# Altium PCB SI942C.PcbDoc (part 2 of 3) (continued)
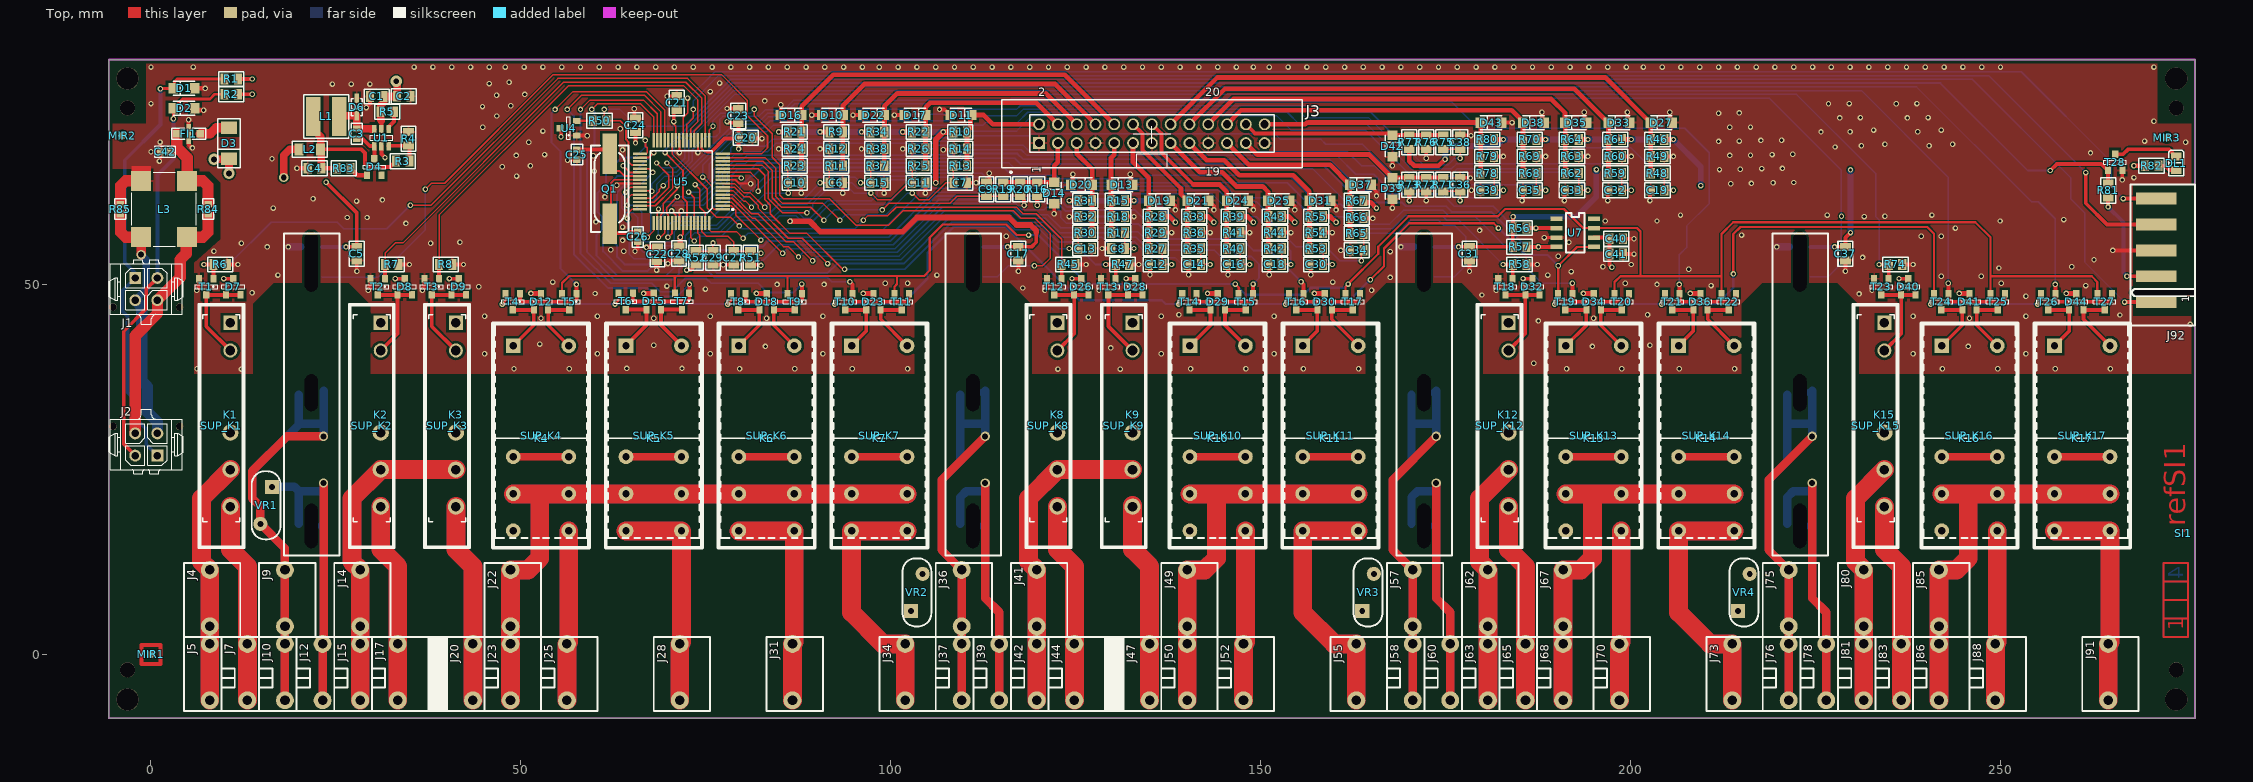
[diagram p0: Top view]
## Nets (pads, with @x,y where several pads share a name; then routed paths per layer and width w, separated by ;. In a path a pad name is that pad's centre, name@x,y a point inside that pad or via, vN(x,y) a via of type N, cw(c..) or ccw(c..) an arc to the next point about the centre after c; other vN are vias at no path point) (continued)
IN15: D35.K J3.20 R62.1 R63.2 R64.1 | length 58.5
  Top w0.635: J3.20@142.875,71.65 146.282,75.057 189.23,75.057 191.082,73.205 D35.K@191.082,71.882 ; R62.1@191.11,65.024 R63.2@191.11,67.31 R64.1@191.11,69.596 D35.K@191.11,71.854
IN15_UC: C33.2 R62.2 U5.60 | length 139.8
  Top w0.203: v1(72.644,62.484) 73.415,61.713 U5.60@73.415,58.298 ; R62.2@192.938,65.024 C33.2@192.938,62.738 v1(194.183,62.738)
  Bottom w0.203: v1(72.644,62.484) 74.168,62.484 76.073,64.389 76.073,65.532 78.359,67.818 78.359,68.453 78.994,69.088 80.137,69.088 80.518,68.707 83.058,68.707 83.947,69.596 105.156,69.596 105.41,69.85 107.823,69.85 108.712,70.739 116.967,70.739 118.999,72.771 152.146,72.771 154.051,70.866 164.084,70.866 170.307,64.643 176.911,64.643 177.419,65.151 191.77,65.151 v1(194.183,62.738)
IN16: D37.K J3.21 R65.1 R66.2 R67.1 | length 25.4
  Top w0.635: J3.21@145.415,69.11 148.358,66.167 159.332,66.167 D37.K@161.999,63.5 ; D37.K@161.999,63.246 161.999,61.115 162.027,61.087 162.027,58.928 R65.1@162.027,56.769
IN16_UC: C34.2 R65.2 U5.59 | length 106.7
  Top w0.203: U5.59@72.915,58.298 72.915,56.371 v1(73.406,55.88) ; v1(163.576,53.213) 163.576,54.331 C34.2@163.855,54.61 R65.2@163.855,56.769
  Bottom w0.203: v1(73.406,55.88) 74.041,56.515 77.089,56.515 79.248,58.674 84.328,58.674 84.963,59.309 87.122,59.309 88.011,58.42 89.281,58.42 91.694,60.833 99.441,60.833 102.235,63.627 103.759,63.627 104.648,64.516 111.887,64.516 112.776,63.627 121.412,63.627 121.793,63.246 145.288,63.246 146.812,61.722 154.305,61.722 157.988,58.039 157.988,55.88 160.655,53.213 v1(163.576,53.213)
IN17: D38.K J3.22 R68.1 R69.2 R70.1 | length 48.4
  Top w0.635: J3.22@145.415,71.65 147.298,73.533 183.896,73.533 185.367,72.062 D38.K@185.367,71.882 ; R68.1@185.395,65.024 R69.2@185.395,67.31 R70.1@185.395,69.596 D38.K@185.395,71.854
IN17_UC: C35.2 R68.2 U5.53 | length 132.5
  Top w0.203: U5.53@69.915,58.298 69.915,59.371 69.723,59.563 69.723,60.452 v1(71.12,61.849) ; R68.2@187.223,65.024 C35.2@187.223,62.738 v1(188.468,62.738)
  Bottom w0.203: v1(71.12,61.849) 72.136,61.849 72.263,61.722 74.041,61.722 76.644,64.325 76.644,65.341 78.867,67.564 79.883,67.564 80.264,67.945 83.312,67.945 84.455,69.088 105.918,69.088 106.172,69.342 108.204,69.342 108.966,70.104 118.745,70.104 118.999,70.358 151.892,70.358 152.654,69.596 158.119,69.596 158.754,68.961 163.703,68.961 168.656,64.008 177.038,64.008 177.546,63.5 187.706,63.5 v1(188.468,62.738)
IN18: D39.K J3.23 R71.1 R72.2 R73.1 | length 28.6
  Top w0.635: J3.23@147.955,69.11 149.501,67.564 164.645,67.564 D39.K@167.767,64.442 170.025,64.442 R73.1@170.053,64.414 R72.2@172.339,64.414 R71.1@174.625,64.414
IN18_UC: C36.2 R71.2 U5.52 | length 124.3
  Top w0.203: v1(68.58,56.388) 68.834,56.388 69.415,56.969 U5.52@69.415,58.298 ; R71.2@174.625,62.586 C36.2@176.911,62.586 v1(176.911,61.341)
  Bottom w0.203: v1(68.58,56.388) 68.58,58.674 69.342,59.436 69.342,59.944 70.104,60.706 74.676,60.706 77.851,63.881 77.851,65.024 79.121,66.294 80.264,66.294 80.899,66.929 101.981,66.929 102.616,67.564 108.585,67.564 109.22,68.199 117.602,68.199 118.364,67.437 160.274,67.437 162.814,64.897 165.227,64.897 167.259,62.865 175.387,62.865 v1(176.911,61.341)
IN19: D42.K J3.24 R75.1 R76.2 R77.1 | length 27.3
  Top w0.535: J3.24@147.955,71.65 149.222,70.383 D42.K@167.541,70.383
  Top w0.635: D42.K@167.541,70.383 D42.K@167.767,70.157 170.025,70.157 R77.1@170.053,70.129 R76.2@172.339,70.129 R75.1@174.625,70.129
IN19_UC: C38.2 R75.2 U5.51 | length 124
  Top w0.203: U5.51@68.915,58.298 68.915,59.436 69.215,59.736 69.215,60.96 71.12,62.865 v1(71.12,63.373) ; R75.2@174.625,68.301 C38.2@176.911,68.301 v1(176.911,67.056)
  Bottom w0.203: v1(71.12,63.373) 78.486,70.739 78.867,70.739 79.756,71.628 82.423,71.628 83.439,72.644 86.487,72.644 87.503,73.66 101.981,73.66 102.616,73.025 107.442,73.025 108.077,73.66 116.967,73.66 117.475,74.168 157.099,74.168 157.988,73.279 164.846,73.279 171.958,66.167 175.26,66.167 176.149,67.056 v1(176.911,67.056)
IN20: D43.K J3.26 R78.1 R79.2 R80.1 | length 36.1
  Top w0.635: J3.26@150.495,71.65 155.978,71.65 156.21,71.882 D43.K@179.652,71.882 179.68,71.854 R80.1@179.68,69.596 R79.2@179.68,67.31 R78.1@179.68,65.024
IN20_UC: C39.2 R78.2 U5.50 | length 127.2
  Top w0.203: U5.50@68.415,58.298 68.415,60.033 v1(68.58,60.198) ; R78.2@181.508,65.024 C39.2@181.508,62.738 v1(182.753,62.738)
  Bottom w0.203: v1(68.58,60.198) 69.596,61.214 74.295,61.214 77.216,64.135 77.216,65.151 78.994,66.929 80.01,66.929 80.518,67.437 101.727,67.437 102.616,68.326 105.918,68.326 106.426,68.834 117.856,68.834 118.745,67.945 161.671,67.945 163.576,66.04 165.354,66.04 168.021,63.373 176.403,63.373 178.054,61.722 181.737,61.722 v1(182.753,62.738)
LED: R81.1 T28.1 U5.58 | length 217.3
  Top w0.254: v1(69.469,67.818) 71.882,65.405 71.882,61.722 72.415,61.189 U5.58@72.415,58.298 ; T28.1@264.444,65.405 T28.1@264.455,65.416
  Top w0.508: v1(256.667,65.405) 257.556,66.294 263.555,66.294 T28.1@264.444,65.405 ; T28.1@264.455,65.416 264.455,63.643 R81.1@264.477,63.621
  Bottom w0.254: v1(69.469,67.818) 69.469,68.199 78.486,77.216 241.808,77.216 253.619,65.405 v1(256.667,65.405)
NetC3_1: C3.1 D6.K L1.1 U1.6 | length 6.6
  Top w0.635: 29.718,71 U1.6@30.197,71
  Top w1.016: L1.1@25.435,72.707 25.531,72.803 D6.K@27.813,72.803 C3.1@27.813,71.032 29.686,71.032 29.718,71
NetC3_2: C3.2 D4.3 U1.1 | length 4.5
  Top w0.508: C3.2@27.813,69.691 28.568,69.691 29.559,68.7 U1.1@30.197,68.7 30.194,68.698 D4.3@30.194,66.981
NetC4_2: C4.2 L1.2 L2.1 R3.2 R83.2 | length 20.3
  Top w0.508: L2.1@22.913,68.263 28.448,68.263 28.924,67.786 28.924,66.358 29.4,65.881 32.296,65.881 R3.2@33.09,66.675
  Top w0.635: C4.2@23.012,65.722 R83.2@25.114,65.722 R83.2@25.284,65.722
  Top w1.016: L1.2@21.936,70.965 22.913,69.988 L2.1@22.913,68.263 23.012,68.163 C4.2@23.012,65.722
NetC25_2: C25.2 Q1.1 U5.39 | length 8.5
  Top w0.254: Q1.1@62.457,65.326 63.325,65.326 64.003,64.648 U5.39@66.065,64.648
  Top w0.508: C25.2@57.564,68.234 61.442,68.234 Q1.1@61.981,67.695
NetC26_2: C26.2 Q1.2 U5.40 | length 14.2
  Top w0.254: Q1.2@62.14,57.481 62.14,63.664 62.624,64.148 U5.40@66.065,64.148
  Top w0.508: Q1.2@61.981,56.913 64.362,56.913 64.557,57.107 C26.2@65.791,57.107
NetD1_K: D1.K J1.1 J2.1 R1.2 | length 64.4
  Top w0.381: v1(1.27,76.454) 1.318,76.502 D1.K@3.027,76.502 ; D1.K@3.011,76.597 3.191,76.777 3.191,77.438 3.524,77.772 R1.2@9.912,77.772
  Top w0.508: D1.K@2.987,76.573 D1.K@3.011,76.597
  Bottom w0.508: J2.1@0.865,26.88 -0.635,28.38 -0.635,30.48 -2.413,32.258 -2.413,34.671 -3.175,35.433 -3.175,45.72 -3.81,46.355 -3.81,49.205 J1.1@-2.135,50.88 -2.135,51.538 -3.556,52.959 -3.556,66.802 1.27,71.628 v1(1.27,76.454)
NetD2_K: D2.K J1.2 J2.2 R2.2 | length 58.1
  Top w0.381: v1@3.048,72.39 v1(3.027,72.411) D2.K@3.027,73.803 3.011,73.803 4.281,75.073 7.969,75.073 8.604,75.708 R2.2@9.912,75.708
  Top w0.508: J2.2@-2.135,26.88 -3.683,28.428 -3.683,43.688 -0.635,46.736 -0.635,49.38 J1.2@0.865,50.88
  Bottom w0.508: J1.2@0.865,50.88 0.865,64.794 3.048,66.977 v1@3.048,72.411
NetD3_A: D3.A FI1.3 | length 4.2
  Top w1.254: FI1.3@6.667,70.358 8.001,70.358 8.815,71.172 D3.A@10.541,71.172
NetD4_1: D4.1 R83.1 | length 2.7
  Top w0.635: R83.1@26.943,65.722 27.884,64.781 D4.1@29.219,64.781
NetD7_1: D7.1 D7.2 K1.A1 T1.3 | length 13.5
  Top w0.508: K1.A1@10.725,41.08 7.461,44.344 7.461,48.589 D7.1@10.138,48.589 D7.2@12.087,48.589
NetD8_1: D8.1 D8.2 K2.A1 T2.3 | length 13.1
  Top w0.508: T2.3@30.639,48.589 D8.1@33.315,48.589 ; K2.A1@31.045,41.08 33.315,43.35 D8.1@33.315,48.589 ; D8.2@35.265,48.589 D8.1@33.315,48.589
NetD9_1: D9.1 D9.2 K3.A1 T3.3 | length 13.5
  Top w0.508: K3.A1@41.205,41.08 37.941,44.344 T3.3@37.941,48.589 D9.1@40.618,48.589 D9.2@42.567,48.589
NetD12_1: D12.1 K4.A1 T4.3 | length 8.8
  Top w0.508: T4.3@48.895,46.57 D12.1@51.73,46.57 51.73,44.5 K4.A1@48.955,41.725
NetD12_2: D12.2 K4.A2 T5.3 | length 8.8
  Top w0.508: K4.A2@56.455,41.725 53.68,44.5 D12.2@53.68,46.57 T5.3@56.515,46.57
NetD15_1: D15.1 K5.A1 T6.3 | length 8.8
  Top w0.508: T6.3@64.135,46.615 D15.1@66.97,46.615 66.97,44.545 K5.A1@64.195,41.77
NetD15_2: D15.2 K5.A2 T7.3 | length 8.8
  Top w0.508: K5.A2@71.695,41.77 68.92,44.545 D15.2@68.92,46.615 T7.3@71.755,46.615
NetD18_1: D18.1 K6.A1 T8.3 | length 8.8
  Top w0.508: T8.3@79.375,46.57 D18.1@82.21,46.57 82.21,44.5 K6.A1@79.435,41.725
NetD18_2: D18.2 K6.A2 T9.3 | length 8.8
  Top w0.508: K6.A2@86.935,41.725 84.16,44.5 D18.2@84.16,46.57 T9.3@86.995,46.57
NetD23_1: D23.1 K7.A1 T10.3 | length 8.5
  Top w0.508: T10.3@93.821,46.57 D23.1@96.656,46.57 96.656,43.706 K7.A1@94.675,41.725
NetD23_2: D23.2 K7.A2 T11.3 | length 9.2
  Top w0.508: T11.3@101.441,46.57 D23.2@98.606,46.57 98.606,45.294 K7.A2@102.175,41.725
NetD26_1: D26.1 D26.2 K8.A1 T12.3 | length 13.1
  Top w0.508: T12.3@122.079,48.589 D26.1@124.755,48.589 ; K8.A1@122.485,41.08 124.755,43.35 D26.1@124.755,48.589 ; D26.2@126.705,48.589 D26.1@124.755,48.589
NetD28_1: D28.1 D28.2 K9.A1 T13.3 | length 13.5
  Top w0.508: K9.A1@132.645,41.08 129.381,44.344 T13.3@129.381,48.589 D28.1@132.058,48.589 D28.2@134.007,48.589
NetD29_1: D29.1 K10.A1 T14.3 | length 8.8
  Top w0.508: T14.3@140.335,46.57 D29.1@143.17,46.57 143.17,44.5 K10.A1@140.395,41.725
NetD29_2: D29.2 K10.A2 T15.3 | length 8.8
  Top w0.508: K10.A2@147.895,41.725 145.12,44.5 D29.2@145.12,46.57 T15.3@147.955,46.57
NetD30_1: D30.1 K11.A1 T16.3 | length 8.5
  Top w0.508: T16.3@154.781,46.57 D30.1@157.616,46.57 157.616,43.706 K11.A1@155.635,41.725
NetD30_2: D30.2 K11.A2 T17.3 | length 9.2
  Top w0.508: T17.3@162.401,46.57 D30.2@159.566,46.57 159.566,45.294 K11.A2@163.135,41.725
NetD32_1: D32.1 D32.2 K12.A1 T18.3 | length 13.1
  Top w0.508: T18.3@183.039,48.589 D32.1@185.715,48.589 ; K12.A1@183.445,41.08 185.715,43.35 D32.1@185.715,48.589 ; D32.2@187.665,48.589 D32.1@185.715,48.589
NetD34_1: D34.1 K13.A1 T19.3 | length 8.8
  Top w0.508: T19.3@191.135,46.57 D34.1@193.97,46.57 193.97,44.5 K13.A1@191.195,41.725
NetD34_2: D34.2 K13.A2 T20.3 | length 8.8
  Top w0.508: K13.A2@198.695,41.725 195.92,44.5 D34.2@195.92,46.57 T20.3@198.755,46.57
NetD36_1: D36.1 K14.A1 T21.3 | length 8.5
  Top w0.508: T21.3@205.581,46.57 D36.1@208.416,46.57 208.416,43.706 K14.A1@206.435,41.725
NetD36_2: D36.2 K14.A2 T22.3 | length 9.2
  Top w0.508: T22.3@213.201,46.57 D36.2@210.366,46.57 210.366,45.294 K14.A2@213.935,41.725
NetD40_1: D40.1 D40.2 K15.A1 T23.3 | length 13.1
  Top w0.508: T23.3@233.839,48.589 D40.1@236.515,48.589 ; K15.A1@234.245,41.08 236.515,43.35 D40.1@236.515,48.589 ; D40.2@238.465,48.589 D40.1@236.515,48.589
NetD41_1: D41.1 K16.A1 T24.3 | length 8.8
  Top w0.508: T24.3@241.935,46.57 D41.1@244.77,46.57 244.77,44.5 K16.A1@241.995,41.725
NetD41_2: D41.2 K16.A2 T25.3 | length 8.8
  Top w0.508: K16.A2@249.495,41.725 246.72,44.5 D41.2@246.72,46.57 T25.3@249.555,46.57
NetD44_1: D44.1 K17.A1 T26.3 | length 8.5
  Top w0.508: T26.3@256.381,46.57 D44.1@259.216,46.57 259.216,43.706 K17.A1@257.235,41.725
NetD44_2: D44.2 K17.A2 T27.3 | length 9.2
  Top w0.508: T27.3@264.001,46.57 D44.2@261.166,46.57 261.166,45.294 K17.A2@264.735,41.725
NetDL1_A: DL1.A R82.2 | length 2.7
  Top w0.508: R82.2@271.266,66.04 272.158,66.04 272.733,65.466 DL1.A@273.685,65.466
NetDL1_K: DL1.K T28.3 | length 8.9
  Top w0.508: T28.3@265.43,67.616 266.53,67.616 267.176,68.262 272.717,68.262 DL1.K@273.685,67.294
NetK4_12: K4.12 K4.22 | length 7.5
  Top w1.016: K4.12@48.955,26.725 K4.22@56.455,26.725
NetK5_12: K5.12 K5.22 | length 7.5
  Top w1.016: K5.12@64.195,26.725 K5.22@71.695,26.725
NetK6_12: K6.12 K6.22 | length 7.5
  Top w1.016: K6.12@79.435,26.725 K6.22@86.935,26.725
NetK7_12: K7.12 K7.22 | length 7.5
  Top w1.016: K7.12@94.675,26.725 K7.22@102.175,26.725
NetK10_12: K10.12 K10.22 | length 7.5
  Top w1.016: K10.12@140.395,26.725 K10.22@147.895,26.725
NetK11_12: K11.12 K11.22 | length 7.5
  Top w1.016: K11.12@155.635,26.725 K11.22@163.135,26.725
NetK13_12: K13.12 K13.22 | length 7.5
  Top w1.016: K13.12@191.195,26.725 K13.22@198.695,26.725
NetK14_12: K14.12 K14.22 | length 7.5
  Top w1.016: K14.12@206.435,26.725 K14.22@213.935,26.725
NetK16_12: K16.12 K16.22 | length 7.5
  Top w1.016: K16.12@241.995,26.725 K16.22@249.495,26.725
NetK17_12: K17.12 K17.22 | length 7.5
  Top w1.016: K17.12@257.235,26.725 K17.22@264.735,26.725
NetR3_1: R3.1 R4.2 U1.3 | length 4.9
  Top w0.508: U1.3@32.097,68.7 32.136,68.739 34.48,68.739 R4.2@34.62,68.599 ; R4.2@34.798,68.777 R4.2@34.62,68.599 ; R3.1@34.919,66.675 34.919,68.301 R4.2@34.62,68.599
NetR5_1: R5.1 U1.4 | length 2.7
  Top w0.508: U1.4@32.097,71 32.097,71.276 32.855,72.034 R5.1@32.855,73.343
NetR50_1: R50.1 U4.2 | length 2.2
  Top w0.305: U4.2@57.521,72.095 57.561,72.135 R50.1@59.698,72.135
NetT4_2: T4.2 T6.2 T8.2 T10.2 T14.2 T16.2 T19.2 T21.2 T24.2 T26.2 U7.5 | length 270.1
  Top w0.305: v1(47.466,47.352) 47.92,47.806 T4.2@47.92,48.77 ; v1(62.706,47.352) 63.16,47.806 T6.2@63.16,48.77 ; v1(77.946,47.352) 78.4,47.806 T8.2@78.4,48.77 ; v1(92.392,47.352) 92.846,47.806 T10.2@92.846,48.77 ; v1(138.906,47.352) 139.36,47.806 T14.2@139.36,48.77 ; v1(153.352,47.352) 153.806,47.806 T16.2@153.806,48.77 ; v1(164.782,50.641) 166.624,52.483 166.624,54.864 170.021,58.261 181.451,58.261 v1(182.086,57.626) ; v1(189.706,47.352) 190.16,47.806 T19.2@190.16,48.77 190.16,52.524 v1(190.182,52.546) 192.707,55.07 U7.5@195.008,55.07 ; v1(204.152,47.352) 204.606,47.806 T21.2@204.606,48.77 ; v1(213.836,51.435) 213.836,56.832 214.789,57.785 240.03,57.785 240.96,56.855 T24.2@240.96,48.77 240.96,47.806 v1(240.506,47.352) ; v1(254.952,47.352) 255.406,47.806 T26.2@255.406,48.77
  Bottom w0.305: v1(47.466,47.352) v1(62.706,47.352) v1(77.946,47.352) v1(92.392,47.352) 101.486,47.352 104.934,50.8 104.934,54.261 108.458,57.785 115.57,57.785 125.476,47.879 136.588,47.879 137.115,47.352 v1(138.906,47.352) v1(153.352,47.352) 161.449,47.352 164.738,50.641 v1(164.782,50.641) ; v1(182.086,57.626) 185.737,53.975 188.754,53.975 v1(190.182,52.546) ; v1(189.706,47.352) v1(204.152,47.352) 211.614,47.352 213.836,49.575 v1(213.836,51.435) ; v1(240.506,47.352) v1(254.952,47.352)
NetT5_2: T5.2 T7.2 T9.2 T11.2 T15.2 T17.2 T20.2 T22.2 T25.2 T27.2 U7.7 | length 265.7
  Top w0.305: T5.2@55.54,48.77 55.54,50.187 56.515,51.162 100.806,51.162 ; T7.2@70.78,48.77 T7.2@70.78,48.815 70.78,51.004 ; T9.2@86.02,48.77 86.02,51.004 ; T11.2@100.466,48.77 100.466,49.711 100.806,50.051 100.806,51.162 ; v1(118.586,56.674) 116.999,56.674 115.57,58.102 106.998,58.102 105.251,56.356 105.251,51.911 104.502,51.162 100.806,51.162 ; v1(146.526,50.051) 146.98,49.597 T15.2@146.98,48.77 ; T17.2@161.426,48.77 161.426,49.711 v1(161.766,50.051) 165.862,54.147 165.862,55.118 169.958,59.214 182.023,59.214 183.007,60.198 190.944,60.198 193.516,57.626 200.819,57.626 201.295,57.15 201.295,51.117 ; T20.2@197.78,48.77 197.78,50.324 198.574,51.117 201.295,51.117 ; T22.2@212.226,48.77 212.226,51.117 ; T25.2@248.58,48.77 248.58,51.117 ; T27.2@263.026,48.77 263.026,50.346 262.255,51.117 248.58,51.117 ; 201.295,51.117 212.226,51.117 ; 212.226,51.117 212.226,56.81 213.836,58.42 246.539,58.42 248.58,56.379 248.58,51.117
  Bottom w0.305: v1(118.586,56.674) 119.888,56.674 126.511,50.051 v1(146.526,50.051) 147.955,48.622 155.734,48.622 156.686,49.575 161.29,49.575 v1(161.766,50.051)
RB0_UC: T4.1 T5.1 U5.29 | length 56.9
  Top w0.203: v1(54.61,73.66) 57.023,76.073 66.929,76.073 69.415,73.587 U5.29@69.415,69.498
  Top w0.508: T4.1@49.87,48.77 49.87,47.965 50.165,47.67 57.21,47.67 57.531,47.991 57.531,48.729 T5.1@57.49,48.77 v1(57.49,50.007)
  Bottom w0.254: v1(54.61,73.66) 54.102,73.152 54.102,69.215 55.347,67.97 55.347,52.151 v1(57.49,50.007)
RB0CO: J22.1 J22.2 J23.1 J23.2 K4.11 K4.21 K5.11 K5.21 K6.11 K6.21 K7.11 K7.21 | length 336.1
  Top w2.54: J23.1@48.585,-6.19 J23.2@48.585,1.43 J22.1@48.585,3.81 J22.2@48.585,11.43 50.959,11.43 52.546,13.018 52.546,21.59 ; K4.11@48.955,21.68 K7.21@102.175,21.68
  MidLayer1 w2.54: J23.1@48.585,-6.19 J23.2@48.585,1.43 J22.1@48.585,3.81 J22.2@48.585,11.43 50.959,11.43 52.546,13.018 52.546,21.59 ; K4.11@48.955,21.68 K7.21@102.175,21.68
  MidLayer2 w2.54: J23.1@48.585,-6.19 J23.2@48.585,1.43 J22.1@48.585,3.81 J22.2@48.585,11.43 50.959,11.43 52.546,13.018 52.546,21.59 ; K4.11@48.955,21.68 K7.21@102.175,21.68
  Bottom w2.54: J23.1@48.585,-6.19 J23.2@48.585,1.43 J22.1@48.585,3.81 J22.2@48.585,11.43 50.959,11.43 52.546,13.018 52.546,21.59 ; K4.11@48.955,21.68 K7.21@102.175,21.68
RB0NO: J25.1 J25.2 K4.14 K4.24 | length 91.9
  Top w2.54: J25.1@56.205,-6.19 J25.2@56.205,1.43 56.455,1.68 K4.24@56.455,16.68
  MidLayer1 w2.54: J25.1@56.205,-6.19 J25.2@56.205,1.43 56.455,1.68 K4.24@56.455,16.68
  MidLayer2 w2.54: J25.1@56.205,-6.19 J25.2@56.205,1.43 56.455,1.68 K4.24@56.455,16.68
  Bottom w2.54: J25.1@56.205,-6.19 J25.2@56.205,1.43 56.455,1.68 K4.24@56.455,16.68
RB1_UC: T6.1 T7.1 U5.30 | length 67.5
  Top w0.203: v1(56.261,73.66) 58.166,75.565 66.675,75.565 68.915,73.325 U5.30@68.915,69.498
  Top w0.508: T6.1@65.11,48.77 65.11,48.01 65.405,47.715 72.48,47.715 72.73,47.965 T7.1@72.73,48.77 ; T7.1@72.771,48.77 v1(72.771,50.013) v1@72.771,50.083
  Bottom w0.254: v1(56.261,73.66) 57.15,72.771 57.15,54.102 61.722,49.53 67.056,49.53 68.199,48.387 71.145,48.387 v1(72.771,50.013)
RB1NO: J28.1 J28.2 K5.14 K5.24 | length 121.9
  Top w2.54: K5.14@64.195,16.68 71.695,16.68 71.695,1.68 J28.2@71.445,1.43 J28.1@71.445,-6.19
  MidLayer1 w2.54: K5.14@64.195,16.68 71.695,16.68 71.695,1.68 J28.2@71.445,1.43 J28.1@71.445,-6.19
  MidLayer2 w2.54: K5.14@64.195,16.68 71.695,16.68 71.695,1.68 J28.2@71.445,1.43 J28.1@71.445,-6.19
  Bottom w2.54: K5.14@64.195,16.68 71.695,16.68 71.695,1.68 J28.2@71.445,1.43 J28.1@71.445,-6.19
RB2_UC: T8.1 T9.1 U5.31 | length 79.5
  Top w0.203: v1(58.039,73.66) 59.309,74.93 66.548,74.93 68.415,73.063 U5.31@68.415,69.498
  Top w0.508: T8.1@80.35,48.77 80.35,47.965 80.645,47.67 87.675,47.67 87.97,47.965 T9.1@87.97,48.77 v1@87.97,49.788 ; v1@87.947,49.829 v1(87.947,50.051)
  Bottom w0.254: v1(58.039,73.66) 58.039,54.229 62.103,50.165 67.691,50.165 68.834,49.022 70.358,49.022 72.136,50.8 75.057,50.8 75.692,50.165 82.042,50.165 83.312,48.895 86.791,48.895 v1(87.947,50.051)
RB2NO: J31.1 J31.2 K6.14 K6.24 | length 121.9
  Top w2.54: K6.14@79.435,16.68 86.935,16.68 86.935,1.68 J31.2@86.685,1.43 J31.1@86.685,-6.19
  MidLayer1 w2.54: K6.14@79.435,16.68 86.935,16.68 86.935,1.68 J31.2@86.685,1.43 J31.1@86.685,-6.19
  MidLayer2 w2.54: K6.14@79.435,16.68 86.935,16.68 86.935,1.68 J31.2@86.685,1.43 J31.1@86.685,-6.19
  Bottom w2.54: K6.14@79.435,16.68 86.935,16.68 86.935,1.68 J31.2@86.685,1.43 J31.1@86.685,-6.19
RB3_UC: T10.1 T11.1 U5.32 | length 82.9
  Top w0.203: v1(59.563,73.66) 60.325,74.422 66.167,74.422 67.915,72.674 U5.32@67.915,69.498
  Top w0.508: v1(94.456,50.369) 94.796,50.029 T10.1@94.796,48.77 94.796,47.965 95.091,47.67 102.121,47.67 102.416,47.965 T11.1@102.416,48.77
  Bottom w0.254: v1(59.563,73.66) 59.944,73.279 59.944,68.834 58.928,67.818 58.928,54.356 62.611,50.673 70.612,50.673 71.374,51.435 71.374,52.07 72.009,52.705 73.152,52.705 73.787,52.07 75.057,52.07 76.2,50.927 91.44,50.927 91.998,50.369 v1(94.456,50.369)
RB3NO: J34.1 J34.2 K7.14 K7.24 | length 140.5
  Top w2.54: J34.1@101.925,-6.19 J34.2@101.925,1.43 98.916,1.43 94.675,5.671 94.675,16.68 K7.24@102.175,16.68
  MidLayer1 w2.54: J34.1@101.925,-6.19 J34.2@101.925,1.43 98.916,1.43 94.675,5.671 94.675,16.68 K7.24@102.175,16.68
  MidLayer2 w2.54: J34.1@101.925,-6.19 J34.2@101.925,1.43 98.916,1.43 94.675,5.671 94.675,16.68 K7.24@102.175,16.68
  Bottom w2.54: J34.1@101.925,-6.19 J34.2@101.925,1.43 98.916,1.43 94.675,5.671 94.675,16.68 K7.24@102.175,16.68
RB4_UC: T14.1 T15.1 U5.34 | length 131.1
  Top w0.254: U5.34@66.065,67.148 67.275,67.148 v1(67.945,67.818)
  Top w0.508: T14.1@141.31,48.77 141.31,47.965 141.605,47.67 148.635,47.67 148.93,47.965 T15.1@148.93,48.77 v1(148.93,50.051)
  Bottom w0.254: v1(67.945,67.818) 64.77,64.643 62.992,64.643 62.23,63.881 62.23,60.071 61.722,59.563 61.722,57.023 61.087,56.388 61.087,54.483 63.754,51.816 67.056,51.816 68.961,53.721 73.406,53.721 73.66,53.975 80.2,53.975 80.899,53.276 82.74,53.276 84.836,55.372 100.33,55.372 106.426,61.468 120.269,61.468 120.777,60.96 122.555,60.96 123.571,59.944 124.714,59.944 125.476,59.182 130.81,59.182 131.826,58.166 133.477,58.166 136.271,55.372 145.288,55.372 146.875,53.785 148.653,53.785 149.733,52.705 149.733,50.854 v1(148.93,50.051)
RB4CO: J49.1 J49.2 J50.1 J50.2 K10.11 K10.21 K11.11 K11.21 | length 214.2
  Top w2.54: J50.1@140.025,-6.19 J50.2@140.025,1.43 J49.1@140.025,3.81 J49.2@140.025,11.43 142.399,11.43 143.986,13.018 143.986,21.59 ; K10.11@140.395,21.68 K11.21@163.135,21.68
  MidLayer1 w2.54: J50.1@140.025,-6.19 J50.2@140.025,1.43 J49.1@140.025,3.81 J49.2@140.025,11.43 142.399,11.43 143.986,13.018 143.986,21.59 ; K10.11@140.395,21.68 K11.21@163.135,21.68
  MidLayer2 w2.54: J50.1@140.025,-6.19 J50.2@140.025,1.43 J49.1@140.025,3.81 J49.2@140.025,11.43 142.399,11.43 143.986,13.018 143.986,21.59 ; K10.11@140.395,21.68 K11.21@163.135,21.68
  Bottom w2.54: J50.1@140.025,-6.19 J50.2@140.025,1.43 J49.1@140.025,3.81 J49.2@140.025,11.43 142.399,11.43 143.986,13.018 143.986,21.59 ; K10.11@140.395,21.68 K11.21@163.135,21.68
RB4NO: J52.1 J52.2 K10.14 K10.24 | length 91.9
  Top w2.54: J52.1@147.645,-6.19 J52.2@147.645,1.43 147.895,1.68 K10.24@147.895,16.68
  MidLayer1 w2.54: J52.1@147.645,-6.19 J52.2@147.645,1.43 147.895,1.68 K10.24@147.895,16.68
  MidLayer2 w2.54: J52.1@147.645,-6.19 J52.2@147.645,1.43 147.895,1.68 K10.24@147.895,16.68
  Bottom w2.54: J52.1@147.645,-6.19 J52.2@147.645,1.43 147.895,1.68 K10.24@147.895,16.68
RB5_UC: T16.1 T17.1 U5.37 | length 129.7
  Top w0.254: U5.37@66.065,65.648 67.321,65.648 v1(67.818,65.151)
  Top w0.508: v1(155.416,50.369) 155.756,50.029 T16.1@155.756,48.77 155.756,47.965 156.051,47.67 163.081,47.67 163.376,47.965 T17.1@163.376,48.77
  Bottom w0.254: v1(67.818,65.151) 66.294,63.627 64.135,63.627 62.992,62.484 62.992,58.674 62.611,58.293 62.611,55.626 62.992,55.245 62.992,53.721 64.008,52.705 67.183,52.705 68.707,54.229 72.771,54.229 73.215,54.673 79.692,54.673 80.137,55.118 82.677,55.118 83.439,55.88 99.949,55.88 106.045,61.976 120.65,61.976 121.158,61.468 122.809,61.468 123.825,60.452 125.476,60.452 125.857,60.071 132.969,60.071 136.906,56.134 147.447,56.134 148.971,54.61 151.175,54.61 v1(155.416,50.369)
RB5NO: J55.1 J55.2 K11.14 K11.24 | length 140.5
  Top w2.54: J55.1@162.885,-6.19 J55.2@162.885,1.43 159.876,1.43 155.635,5.671 155.635,16.68 K11.24@163.135,16.68
  MidLayer1 w2.54: J55.1@162.885,-6.19 J55.2@162.885,1.43 159.876,1.43 155.635,5.671 155.635,16.68 K11.24@163.135,16.68
  MidLayer2 w2.54: J55.1@162.885,-6.19 J55.2@162.885,1.43 159.876,1.43 155.635,5.671 155.635,16.68 K11.24@163.135,16.68
  Bottom w2.54: J55.1@162.885,-6.19 J55.2@162.885,1.43 159.876,1.43 155.635,5.671 155.635,16.68 K11.24@163.135,16.68
RB6_UC: T19.1 T20.1 U5.44 | length 158.8
  Top w0.203: v1(64.389,60.706) 64.389,61.595 64.942,62.148 U5.44@66.065,62.148
  Top w0.508: v1(192.087,50.165) 192.11,50.143 T19.1@192.11,48.77 192.11,47.965 192.405,47.67 199.435,47.67 199.73,47.965 T20.1@199.73,48.77
  Bottom w0.203: v1(64.389,60.706) 65.405,60.706 66.294,59.817 66.294,56.261 66.802,55.753 70.358,55.753 70.739,56.134 70.739,57.15 71.628,58.039 76.454,58.039 83.693,65.278 102.616,65.278 103.378,66.04 109.855,66.04 110.236,66.421 115.951,66.421 116.713,65.659 156.972,65.659 164.465,58.166 167.386,58.166 169.227,60.008 174.625,60.008 175.45,59.182 178.943,59.182 187.96,50.165 v1(192.087,50.165)
RB6CO: J67.1 J67.2 J68.1 J68.2 K13.11 K13.21 K14.11 K14.21 | length 214.2
  Top w2.54: J68.1@190.825,-6.19 J68.2@190.825,1.43 J67.1@190.825,3.81 J67.2@190.825,11.43 193.199,11.43 194.786,13.018 194.786,21.59 ; K13.11@191.195,21.68 K14.21@213.935,21.68
  MidLayer1 w2.54: J68.1@190.825,-6.19 J68.2@190.825,1.43 J67.1@190.825,3.81 J67.2@190.825,11.43 193.199,11.43 194.786,13.018 194.786,21.59 ; K13.11@191.195,21.68 K14.21@213.935,21.68
  MidLayer2 w2.54: J68.1@190.825,-6.19 J68.2@190.825,1.43 J67.1@190.825,3.81 J67.2@190.825,11.43 193.199,11.43 194.786,13.018 194.786,21.59 ; K13.11@191.195,21.68 K14.21@213.935,21.68
  Bottom w2.54: J68.1@190.825,-6.19 J68.2@190.825,1.43 J67.1@190.825,3.81 J67.2@190.825,11.43 193.199,11.43 194.786,13.018 194.786,21.59 ; K13.11@191.195,21.68 K14.21@213.935,21.68
RB6NO: J70.1 J70.2 K13.14 K13.24 | length 91.9
  Top w2.54: J70.1@198.445,-6.19 J70.2@198.445,1.43 198.695,1.68 K13.24@198.695,16.68
  MidLayer1 w2.54: J70.1@198.445,-6.19 J70.2@198.445,1.43 198.695,1.68 K13.24@198.695,16.68
  MidLayer2 w2.54: J70.1@198.445,-6.19 J70.2@198.445,1.43 198.695,1.68 K13.24@198.695,16.68
  Bottom w2.54: J70.1@198.445,-6.19 J70.2@198.445,1.43 198.695,1.68 K13.24@198.695,16.68
RB7_UC: T21.1 T22.1 U5.45 | length 183.1
  Top w0.203: U5.45@66.065,61.648 67.744,61.648 68.707,62.611 68.707,62.865 v1(69.215,63.373)
  Top w0.508: v1(206.534,50.006) 206.556,49.984 T21.1@206.556,48.77 206.556,47.965 206.851,47.67 213.881,47.67 214.176,47.965 T22.1@214.176,48.77
  Bottom w0.203: v1(69.215,63.373) 69.977,64.135 71.247,64.135 78.359,71.247 78.613,71.247 79.502,72.136 82.296,72.136 83.312,73.152 85.725,73.152 86.995,74.422 116.586,74.422 116.84,74.676 175.768,74.676 179.324,71.12 207.264,71.12 210.566,67.818 210.566,60.96 207.518,57.912 207.518,54.991 206.534,54.007 v1(206.534,50.006)